# Altium PCB OECU_BASE.PcbDoc (part 1 of 6) (continued)
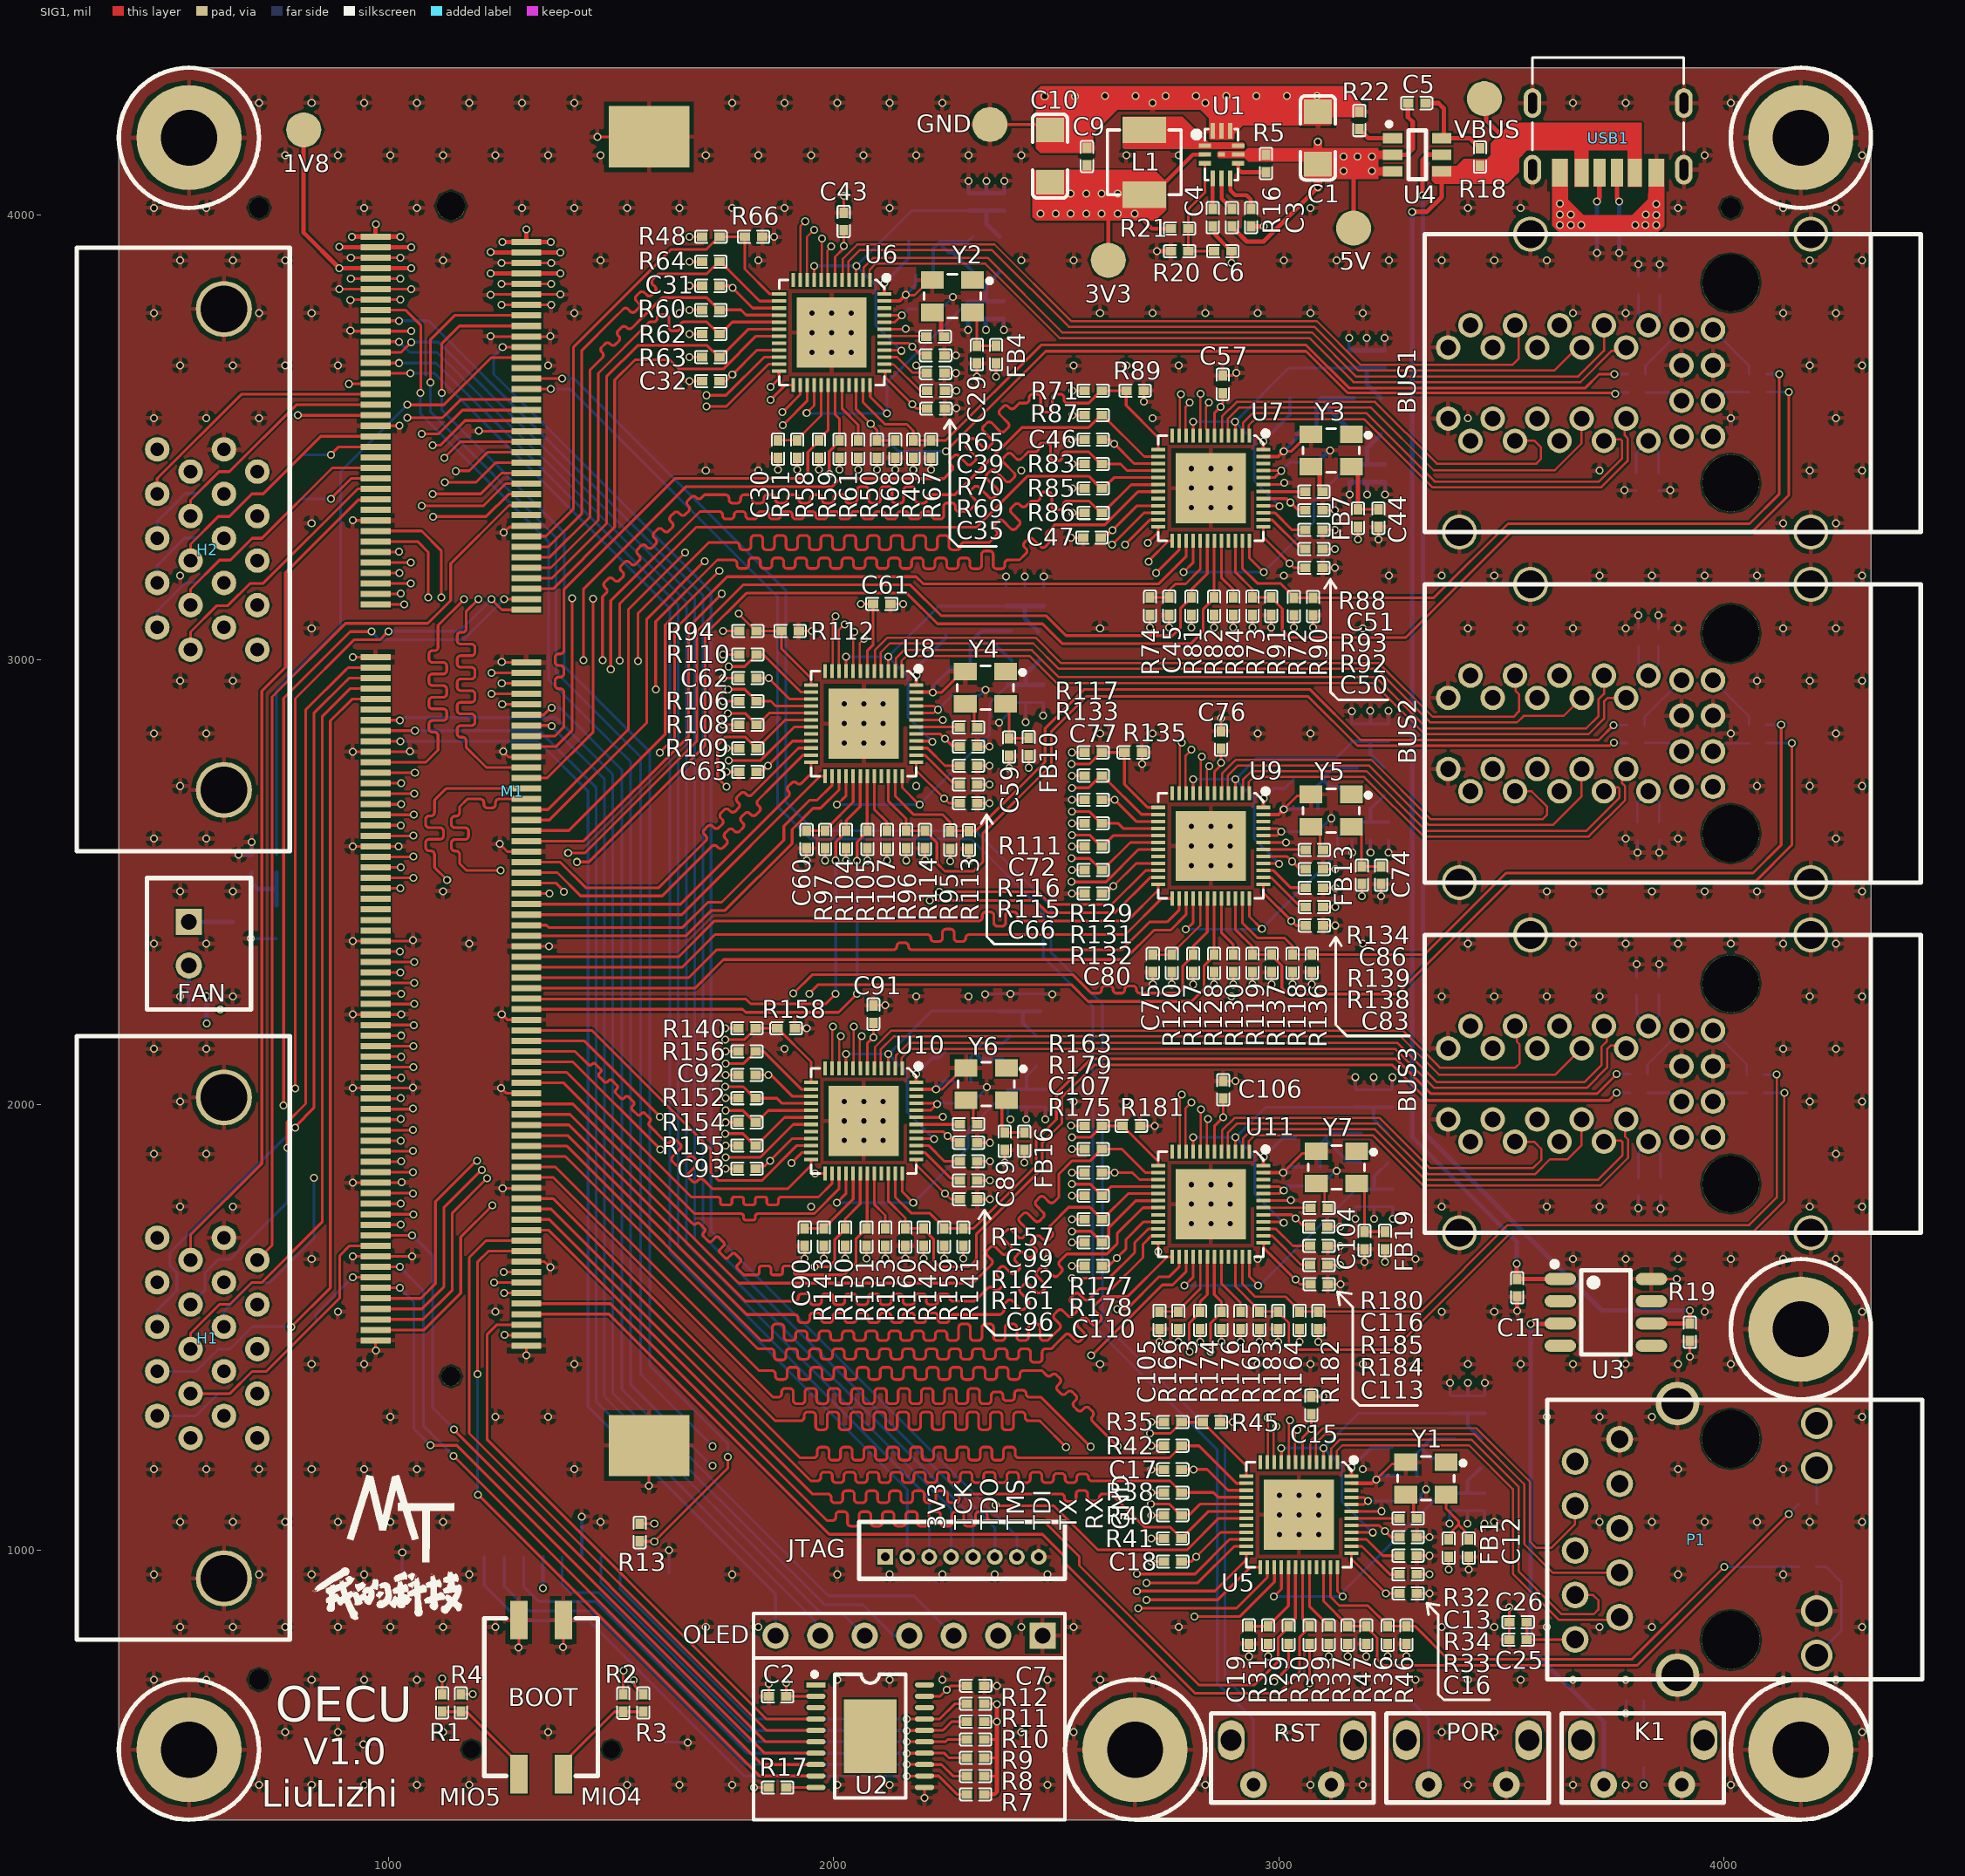
[diagram p0: SIG1 view]
## Classes and differential pairs (continued)
component class OECU_BASE2: C12 C13 C14 C15 C16 C17 C18 C19 C20 C21 C22 C23 C24 C25 C26 C27 C28 FB1 FB2 FB3 H1 H2 JTAG L2 P1 R29 R30 R31 R32 R33 R34 R35 R36 R37 R38 R39 R40 R41 R42 R43 R44 R45 R46 R47 U5 Y1
component class OECU_BASE1: 1V8 3V3 5V BOOT C1 C2 C3 C4 C5 C6 C7 C9 C10 C11 D1 GND J1 K1 L1 M1 POR R1 R2 R3 R4 R5 R6 R7 R8 R9 R10 R11 R12 R13 R14 R15 R16 R17 R18 R19 R20 R21 R22 RST U1 U2 U3 U4 USB1 VBUS
differential pair MDI6_3: +MDI6_3_P -MDI6_3_N
differential pair MDI6_2: +MDI6_2_P -MDI6_2_N
differential pair MDI6_1: +MDI6_1_P -MDI6_1_N
differential pair MDI6_0: +MDI6_0_P -MDI6_0_N
differential pair MDI5_3: +MDI5_3_P -MDI5_3_N
differential pair MDI5_2: +MDI5_2_P -MDI5_2_N
differential pair MDI5_1: +MDI5_1_P -MDI5_1_N
differential pair MDI5_0: +MDI5_0_P -MDI5_0_N
differential pair MDI4_3: +MDI4_3_P -MDI4_3_N
differential pair MDI4_2: +MDI4_2_P -MDI4_2_N
differential pair MDI4_1: +MDI4_1_P -MDI4_1_N
differential pair MDI4_0: +MDI4_0_P -MDI4_0_N
differential pair MDI3_3: +MDI3_3_P -MDI3_3_N
differential pair MDI3_2: +MDI3_2_P -MDI3_2_N
differential pair MDI3_1: +MDI3_1_P -MDI3_1_N
differential pair MDI3_0: +MDI3_0_P -MDI3_0_N
differential pair MDI2_3: +MDI2_3_P -MDI2_3_N
differential pair MDI2_2: +MDI2_2_P -MDI2_2_N
differential pair MDI2_1: +MDI2_1_P -MDI2_1_N
differential pair MDI2_0: +MDI2_0_P -MDI2_0_N
differential pair MDI1_3: +MDI1_3_P -MDI1_3_N
differential pair MDI1_2: +MDI1_2_P -MDI1_2_N
differential pair MDI1_1: +MDI1_1_P -MDI1_1_N
differential pair MDI1_0: +MDI1_0_P -MDI1_0_N
differential pair MDI0_3: +MDI0_3_P -MDI0_3_N
differential pair MDI0_2: +MDI0_2_P -MDI0_2_N
differential pair MDI0_1: +MDI0_1_P -MDI0_1_N
differential pair MDI0_0: +MDI0_0_P -MDI0_0_N

## Components (designator, comment, footprint, x,y, rotation, side; value= is the part's Value field where it differs from the comment)
1V8 "TEST_POINT_2mm" TEST_POINT_2mm 809,4191 r0 top
3V3 "TEST_POINT_2mm" TEST_POINT_2mm 2617,3898 r0 top
5V "TEST_POINT_2mm" TEST_POINT_2mm 3168,3970 r0 top
BOOT "DIP_SWITCH_2.54_2_SMD_S" DIP_SWITCH_2.54_2_SMD_S 1342.35,669.29 r0 top locked
BUS1 "RJ45_HR916130H" HR916130H 4015.75,3622.05 r90 top locked
BUS2 "RJ45_HR916130H" HR916130H 4015.75,2834.65 r90 top locked
BUS3 "RJ45_HR916130H" HR916130H 4015.75,2047.24 r90 top locked
C1 "22uF" 1206 3088,4173 r270 top
C2 "104" 0402 1874,670.85 r0 top
C3 "104" 0402 2937.6,3993.5 r270 top
C4 "104" 0402 2851.6,3993.5 r270 top
C5 "104" 0402 3310,4251 r0 top
C6 "104" 0402 2874.32,3918 r0 top
C7 "104" 0402 2319,694.95 r180 top
C9 "104" 0402 2569,4131 r270 top
C10 "22uF" 1206 2486,4132 r270 top
C11 "104" 0402 3536,1589 r270 top
C12 "104" 0402 3427,1004 r90 top
C13 "104" 0402 3291,1029 r0 top
C14 "104" 0402 3291,1110 r0 bottom
C15 "104" 0402 3073,1325 r90 top
C16 "104" 0402 3291,902 r0 top
C17 "104" 0402 2762,1181 r180 top
C18 "104" 0402 2762,974 r180 top
C19 "10uF" 0402 2933,808.69 r270 top
C20 "10uF" 0402 3291,1167 r0 bottom
C21 "104" 0402 3461.87,1108.19 r90 bottom
C22 "104" 0402 3385,1326.69 r270 bottom
C23 "104" 0402 3424,1108.31 r90 bottom
C24 "104" 0402 3425,1326.69 r270 bottom
C25 "104" 0402 3538,798 r0 top
C26 "10uF" 0402 3538,838 r0 top
C27 "10uF" 0402 3384,1108.31 r90 bottom
C28 "10uF" 0402 3462.87,1326.56 r270 bottom
C29 "104" 0402 2322,3685.82 r90 top
C30 "10uF" 0402 1875,3473.5 r270 top
C31 "104" 0402 1724,3840.5 r180 top
C32 "104" 0402 1724,3626.5 r180 top
C33 "104" 0402 2301.28,3786.32 r90 bottom
C34 "104" 0402 2303.28,4028.92 r270 bottom
C35 "104" 0402 2230,3564.5 r0 top
C36 "104" 0402 2205,3788.5 r0 bottom
C37 "104" 0402 2341.28,3786.32 r90 bottom
C38 "104" 0402 2343.28,4028.92 r270 bottom
C39 "10uF" 0402 2229,3684.5 r0 top
C40 "10uF" 0402 2381.28,3786.32 r90 bottom
C41 "10uF" 0402 2383.28,4028.92 r270 bottom
C42 "10uF" 0402 2204.04,3864.5 r0 bottom
C43 "10uF" 0402 2022.32,3984.94 r90 top
C44 "104" 0402 3224,3318.32 r90 top
C45 "10uF" 0402 2754,3120.32 r270 top
C46 "104" 0402 2583,3495 r180 top
C47 "104" 0402 2580,3275 r180 top
C48 "104" 0402 3239,3419.31 r90 bottom
C49 "104" 0402 3158,3675.69 r270 bottom
C50 "104" 0402 3079,3207 r0 top
C51 "104" 0402 3079,3336 r0 top
C52 "104" 0402 3199,3419.31 r90 bottom
C53 "104" 0402 3198,3675.69 r270 bottom
C54 "10uF" 0402 3065,3444 r0 bottom
C55 "10uF" 0402 3159.29,3419.14 r90 bottom
C56 "10uF" 0402 3238,3675.69 r270 bottom
C57 "10uF" 0402 2874,3619 r90 top
C58 "10uF" 0402 3065,3514 r0 bottom
C59 "104" 0402 2394,2804 r90 top
C60 "10uF" 0402 1939,2596.32 r270 top
C61 "104" 0402 2108,3126 r0 top
C62 "104" 0402 1807,2959 r180 top
C63 "104" 0402 1807,2748 r180 top
C64 "104" 0402 2471,2924.13 r90 bottom
C65 "104" 0402 2387.16,3140.87 r270 bottom
C66 "104" 0402 2303,2678 r0 top
C67 "104" 0402 2431,2924.13 r90 bottom
C68 "104" 0402 2429.16,3140.87 r270 bottom
C69 "10uF" 0402 2287,2920 r0 bottom
C70 "10uF" 0402 2391,2924.13 r90 bottom
C71 "10uF" 0402 2472.16,3140.87 r270 bottom
C72 "10uF" 0402 2303,2805 r0 top
C73 "10uF" 0402 2287,2983 r0 bottom
C74 "104" 0402 3230,2516 r90 top
C75 "10uF" 0402 2717,2318 r270 top
C76 "104" 0402 2870,2820 r90 top
C77 "104" 0402 2583,2686 r180 top
C78 "104" 0402 3247,2616.31 r90 bottom
C79 "104" 0402 3164.35,2836.35 r270 bottom
C80 "104" 0402 2583,2475 r180 top
C81 "104" 0402 3206,2615.31 r90 bottom
C82 "104" 0402 3206,2836.69 r270 bottom
C83 "104" 0402 3080,2403 r0 top
C84 "10uF" 0402 3164.78,2615.63 r90 bottom
C85 "10uF" 0402 3247,2836.69 r270 bottom
C86 "10uF" 0402 3080,2530 r0 top
C87 "10uF" 0402 3068,2666 r0 bottom
C88 "10uF" 0402 3068,2615 r0 bottom
C89 "104" 0402 2384,1918.31 r90 top
C90 "10uF" 0402 1935,1703 r270 top
C91 "104" 0402 2089,2204 r90 top
C92 "104" 0402 1805,2067 r180 top
C93 "104" 0402 1805,1857 r180 top
C94 "104" 0402 2476,2015 r90 bottom
C95 "104" 0402 2465,2229.69 r270 bottom
C96 "104" 0402 2303,1788 r0 top
C97 "104" 0402 2433,2015 r90 bottom
C98 "104" 0402 2425,2229.69 r270 bottom
C99 "10uF" 0402 2303,1915 r0 top
C100 "10uF" 0402 2391,2015 r90 bottom
C101 "10uF" 0402 2370,2230.69 r270 bottom
C102 "10uF" 0402 2288,2004 r0 bottom
C103 "10uF" 0402 2288,2054 r0 bottom
C104 "104" 0402 3192.61,1695.43 r90 top
C105 "10uF" 0402 2732,1516 r270 top
C106 "104" 0402 2875,2034 r90 top
C107 "104" 0402 2583,1848 r180 top
C108 "104" 0402 3256,1791 r90 bottom
C109 "104" 0402 3172,2014.69 r270 bottom
C110 "104" 0402 2583,1638 r180 top
C111 "104" 0402 3214,1791 r90 bottom
C112 "104" 0402 3213,2014.69 r270 bottom
C113 "104" 0402 3090.61,1597.11 r0 top
C114 "10uF" 0402 3172,1791 r90 bottom
C115 "10uF" 0402 3255,2014.69 r270 bottom
C116 "10uF" 0402 3089.61,1726.11 r0 top
C117 "10uF" 0402 3073,1861 r0 bottom
C118 "10uF" 0402 3073,1818 r0 bottom
C119 "104" 0402 3856.31,3840.7 r270 bottom
C120 "10uF" 0402 3808.31,3841.7 r270 bottom
C121 "104" 0402 3853.31,3400.22 r90 bottom
C122 "10uF" 0402 3803.31,3400.22 r90 bottom
C123 "104" 0402 3808,3051 r270 bottom
C124 "10uF" 0402 3853,3051 r270 bottom
C125 "104" 0402 3806,2615.31 r90 bottom
C126 "10uF" 0402 3855,2615.31 r90 bottom
C127 "104" 0402 3804.31,2267.22 r270 bottom
C128 "10uF" 0402 3854.31,2267.22 r270 bottom
C129 "104" 0402 3808,1815.31 r90 bottom
C130 "10uF" 0402 3858,1816.31 r90 bottom
D1 "LED" LED_0603 3820,542 r270 bottom locked
D2 "SI2302" SOT23 699,2411 r180 bottom
FAN "XH2.54_2P" XH2.5_2P 551.18,2362.2 r270 top locked
FB1 "102" 0402 3382,1004 r270 top
FB2 "102" 0603 3423,1184 r0 bottom
FB3 "102" 0603 3425,1249 r0 bottom
FB4 "102" 0402 2365,3685.82 r270 top
FB5 "102" 0603 2342,3872.46 r0 bottom
FB6 "102" 0603 2342,3950.46 r0 bottom
FB7 "102" 0402 3178,3318.32 r270 top
FB8 "102" 0603 3199,3507 r0 bottom
FB9 "102" 0603 3199,3588 r0 bottom
FB10 "102" 0402 2438,2805 r270 top
FB11 "102" 0603 2430,2998 r0 bottom
FB12 "102" 0603 2429,3064 r0 bottom
FB13 "102" 0402 3187,2516 r270 top
FB14 "102" 0603 3206,2696 r0 bottom
FB15 "102" 0603 3206,2757 r0 bottom
FB16 "102" 0402 2428,1918.31 r270 top
FB17 "102" 0603 2425,2088 r0 bottom
FB18 "102" 0603 2425,2154 r0 bottom
FB19 "102" 0402 3238.61,1695.43 r270 top
FB20 "102" 0603 3215,1870 r0 bottom
FB21 "102" 0603 3215,1936 r0 bottom
GND "TEST_POINT_2mm" TEST_POINT_2mm 2351,4203 r0 top
H1 "SCSI20_1" SCSI20_1 629.92,1476.38 r270 top locked
H2 "SCSI20_1" SCSI20_1 629.92,3248.03 r270 top locked
J1 "TF_Card" TF_CARD 1259.84,984.25 r270 bottom locked
JTAG "SH1.25mm_8P" SH1.25MM_8P 2460.63,984.25 r180 top locked
K1 "KEY" KEY_DIP_6_L 3905.51,472.44 r180 top locked
L1 "3.3uH" L_0420 2698,4118 r90 top
L2 "2.2uH" 0805 3289,1231 r180 bottom
L3 "2.2uH" 0805 2204.04,3939.5 r180 bottom
L4 "2.2uH" 0805 3060,3588 r180 bottom
L5 "2.2uH" 0805 2287,3055 r180 bottom
L6 "2.2uH" 0805 3068,2733 r180 bottom
L7 "2.2uH" 0805 2286,2120 r180 bottom
L8 "2.2uH" 0805 3072,1927 r180 bottom
M1 "DDR3_204P_H8" DDR3_204P_H8 1140,4020 r270 top locked
OLED "Header_2.54_7P" HDR1_7P 2469.47,807.39 r180 top locked
P1 "RJ45" HR911130A 4016,1023.62 r270 top locked
POR "KEY" KEY_DIP_6_L 3511.81,472.44 r180 top locked
R1 "20K" R_0402 1120,656 r90 top locked
R2 "20K" R_0402 1527.22,655.87 r90 top locked
R3 "10K" R_0402 1572,656 r90 top locked
R4 "10K" R_0402 1162,656 r90 top locked
R5 "4K7" R_0402 2971.6,4115.5 r90 top
R6 "1K" R_0402 3800,662 r180 bottom
R7 "10K" R_0402 2318.89,450.95 r180 top
R8 "10K" R_0402 2318.89,491.95 r180 top
R9 "10K" R_0402 2318.89,532.95 r180 top
R10 "10K" R_0402 2318.89,573.95 r180 top
R11 "10K" R_0402 2318.89,613.95 r180 top
R12 "10K" R_0402 2318.89,653.95 r180 top
R13 "10K" R_0402 1564,1039 r270 top
R14 "5K1" R_0402 3765,3972 r90 bottom
R15 "5K1" R_0402 3715,3972 r90 bottom
R16 "4K7" R_0402 2894.6,3993.5 r270 top
R17 "4K7" R_0402 1874,465.85 r0 top
R18 "10K" R_0402 3452,4130 r270 top
R19 "10K" R_0402 3924,1489 r270 top
R20 "44K2" R_0402 2777.32,3918 r180 top
R21 "200K" R_0402 2777,3969 r180 top
R22 "1K" R_0402 3181,4212 r90 top
R29 "1K5" R_0402 3022,808.69 r270 top
R30 "1K5" R_0402 3069,808.69 r270 top
R31 "10K" R_0402 2976,808.69 r90 top
R32 "22R" R_0402 3291,1071 r0 top
R33 "0R" R_0402 3290.68,945 r0 top
R34 "2.49K" R_0402 3290.68,987 r0 top
R35 "NC" R_0402 2762,1287 r0 top
R36 "NC" R_0402 3245,808.69 r90 top
R37 "4K7" R_0402 3155,808.69 r90 top
R38 "4K7" R_0402 2762,1129 r180 top
R39 "4K7" R_0402 3112,808.69 r270 top
R40 "4K7" R_0402 2762,1078 r180 top
R41 "4K7" R_0402 2762,1026 r180 top
R42 "4K7" R_0402 2762,1234 r180 top
R43 "510R" R_0402 4188,962 r0 bottom
R44 "510R" R_0402 4189,1102 r0 bottom
R45 "4K7" R_0402 2849,1287 r0 top
R46 "4K7" R_0402 3287,808.69 r270 top
R47 "NC" R_0402 3197,808.69 r270 top
R48 "NC" R_0402 1724.31,3950.5 r0 top
R49 "NC" R_0402 2179,3473.5 r90 top
R50 "4K7" R_0402 2097,3473.5 r90 top
R51 "10K" R_0402 1918,3473.5 r90 top
R58 "1K5" R_0402 1966.5,3473.5 r270 top
R59 "1K5" R_0402 2013,3473.5 r270 top
R60 "4K7" R_0402 1724,3786.5 r180 top
R61 "4K7" R_0402 2055,3473.5 r270 top
R62 "4K7" R_0402 1724,3732.5 r180 top
R63 "4K7" R_0402 1724,3680.5 r180 top
R64 "4K7" R_0402 1724,3894.5 r180 top
R65 "22R" R_0402 2228,3726.5 r0 top
R66 "4K7" R_0402 1820,3950.5 r0 top
R67 "4K7" R_0402 2219,3473.5 r270 top
R68 "NC" R_0402 2138,3473.5 r270 top
R69 "0R" R_0402 2230,3604.5 r0 top
R70 "2.49K" R_0402 2229,3644.5 r0 top
R71 "NC" R_0402 2583,3605 r0 top
R72 "NC" R_0402 3034,3120 r90 top
R73 "4K7" R_0402 2941,3120.32 r90 top
R74 "10K" R_0402 2711,3120.32 r90 top
R81 "1K5" R_0402 2804,3120.32 r270 top
R82 "1K5" R_0402 2855,3120.32 r270 top
R83 "4K7" R_0402 2583,3440 r180 top
R84 "4K7" R_0402 2898,3120.32 r270 top
R85 "4K7" R_0402 2583,3385 r180 top
R86 "4K7" R_0402 2583,3330 r180 top
R87 "4K7" R_0402 2583,3550 r180 top
R88 "22R" R_0402 3079,3378 r0 top
R89 "4K7" R_0402 2677,3605 r0 top
R90 "4K7" R_0402 3077,3120 r270 top
R91 "NC" R_0402 2983,3120.32 r270 top
R92 "0R" R_0402 3079,3249 r0 top
R93 "2.49K" R_0402 3079,3292 r0 top
R94 "NC" R_0402 1807,3065 r0 top
R95 "NC" R_0402 2261.5,2594.98 r90 top
R96 "4K7" R_0402 2163,2596.32 r90 top
R97 "10K" R_0402 1981,2596.32 r90 top
R104 "1K5" R_0402 2028,2596.32 r270 top
R105 "1K5" R_0402 2076,2596.32 r270 top
R106 "4K7" R_0402 1807,2907 r180 top
R107 "4K7" R_0402 2120,2596.32 r270 top
R108 "4K7" R_0402 1807,2854 r180 top
R109 "4K7" R_0402 1807,2801 r180 top
R110 "4K7" R_0402 1807,3012 r180 top
R111 "22R" R_0402 2303,2848 r0 top
R112 "4K7" R_0402 1902,3065 r0 top
R113 "4K7" R_0402 2304,2595 r270 top
R114 "NC" R_0402 2205,2596.32 r270 top
R115 "0R" R_0402 2303,2720 r0 top
R116 "2.49K" R_0402 2303,2762 r0 top
R117 "NC" R_0402 2583,2792 r0 top
R118 "NC" R_0402 3031,2318.31 r90 top
R119 "4K7" R_0402 2941,2318 r90 top
R120 "10K" R_0402 2760,2318 r90 top
R127 "1K5" R_0402 2808,2318 r270 top
R128 "1K5" R_0402 2855,2318 r270 top
R129 "4K7" R_0402 2583,2633 r180 top
R130 "4K7" R_0402 2898,2318 r270 top
R131 "4K7" R_0402 2583,2581 r180 top
R132 "4K7" R_0402 2583,2528 r180 top
R133 "4K7" R_0402 2583,2740 r180 top
R134 "22R" R_0402 3080,2573 r0 top
R135 "4K7" R_0402 2673,2792 r0 top
R136 "4K7" R_0402 3074,2318 r270 top
R137 "NC" R_0402 2984,2318 r270 top
R138 "0R" R_0402 3080,2445 r0 top
R139 "2.49K" R_0402 3080,2488 r0 top
R140 "NC" R_0402 1805,2172 r0 top
R141 "NC" R_0402 2291,1703 r90 top
R142 "4K7" R_0402 2202,1703 r90 top
R143 "10K" R_0402 1978,1703 r90 top
R150 "1K5" R_0402 2026,1703 r270 top
R151 "1K5" R_0402 2074,1703 r270 top
R152 "4K7" R_0402 1805,2015 r180 top
R153 "4K7" R_0402 2116,1703 r270 top
R154 "4K7" R_0402 1805,1961 r180 top
R155 "4K7" R_0402 1805,1909 r180 top
R156 "4K7" R_0402 1805,2120 r180 top
R157 "22R" R_0402 2303,1957 r0 top
R158 "4K7" R_0402 1893,2172 r0 top
R159 "4K7" R_0402 2248,1703 r270 top
R160 "NC" R_0402 2161,1703 r270 top
R161 "0R" R_0402 2303,1830 r0 top
R162 "2.49K" R_0402 2303,1873 r0 top
R163 "NC" R_0402 2583,1953 r0 top
R164 "NC" R_0402 3047,1516 r90 top
R165 "4K7" R_0402 2957,1516 r90 top
R166 "10K" R_0402 2774,1516 r90 top
R173 "1K5" R_0402 2823,1516 r270 top
R174 "1K5" R_0402 2871,1516 r270 top
R175 "4K7" R_0402 2583,1796 r180 top
R176 "4K7" R_0402 2914,1516 r270 top
R177 "4K7" R_0402 2583,1743 r180 top
R178 "4K7" R_0402 2583,1691 r180 top
R179 "4K7" R_0402 2583,1901 r180 top
R180 "22R" R_0402 3090.61,1768.11 r0 top
R181 "4K7" R_0402 2669,1953 r0 top
R182 "4K7" R_0402 3089,1516 r270 top
R183 "NC" R_0402 2999,1516 r270 top
R184 "0R" R_0402 3090.3,1640.11 r0 top
R185 "2.49K" R_0402 3090.3,1683.11 r0 top
R186 "510R" R_0402 3804.31,3642.22 r0 bottom
R187 "510R" R_0402 3805.31,3601.22 r0 bottom
R188 "510R" R_0402 4076.31,3642.22 r0 bottom
R189 "510R" R_0402 4075.31,3602.22 r180 bottom
R190 "100R" R_0402 748,2542 r270 bottom
R191 "10R" R_0402 571,2214 r180 bottom
R192 "10K" R_0402 692,2542 r90 bottom
R193 "510R" R_0402 3802.31,2853.22 r0 bottom
R194 "510R" R_0402 3802.31,2813.22 r0 bottom
R195 "510R" R_0402 4076,2854 r0 bottom
R196 "510R" R_0402 4076,2813 r180 bottom
R197 "510R" R_0402 3809,2069 r0 bottom
R198 "510R" R_0402 3809,2027 r0 bottom
R199 "510R" R_0402 4071.31,2068.22 r0 bottom
R200 "510R" R_0402 4071.31,2027.22 r180 bottom
RST "KEY" KEY_DIP_6_L 3118.11,472.44 r180 top locked
U1 "MP2145" QFN12 2871.6,4135.5 r0 top
U2 "TXS0108E" TSSOP20 1960,696.85 r0 top
U3 "EC191120" SOP8-150MIL 3735,1534 r0 top
U4 "TPS27081A" SOT_23_6 3311,4135 r0 top
U5 "RTL8211E-VL" QFN48 3132,1197 r270 top
U6 "RTL8211E-VB" QFN48 2082,3853.5 r270 top
U7 "RTL8211E-VB" QFN48 2934,3504 r270 top locked
U8 "RTL8211E-VB" QFN48 2154,2975 r270 top locked
U9 "RTL8211E-VB" QFN48 2934,2700 r270 top locked
U10 "RTL8211E-VB" QFN48 2154,2082.11 r270 top locked
U11 "RTL8211E-VB" QFN48 2934,1895 r270 top locked
USB1 "USB_C_6P" USB_C_6PIN 3740.16,4062.99 r180 top locked
VBUS "TEST_POINT_2mm" TEST_POINT_2mm 3462,4261 r90 top
Y1 "25Mhz" XTAL_3225 3374,1195 r180 top
Y2 "25Mhz" XTAL_3225 2310,3851.5 r180 top
Y3 "25Mhz" XTAL_3225 3161,3505 r180 top
Y4 "25Mhz" XTAL_3225 2384.18,2972.02 r180 top
Y5 "25Mhz" XTAL_3225 3161,2696 r180 top
Y6 "25Mhz" XTAL_3225 2386,2081 r180 top
Y7 "25Mhz" XTAL_3225 3173,1894 r180 top

## Footprints (in the part's own frame and the unit in brackets; to place one, negate y for a bottom-side part, rotate by r counter-clockwise, add the part's x,y. Pads: shape width x height; smd on the part's side, far side on the other; paste and mask are expansions set on the pad)
0402 [mm]
  rect 0.6x0.5 smd: 1(-0.5,0) 2(0.5,0)
  silkscreen extent -0.9,-0.35 0.9,0.35, body extent -0.51,-0.25 0.51,0.25, height 0.52
0603 [mm]
  rect 0.93x0.98 smd: 1(-0.77,0) 2(0.77,0)
  silkscreen extent -1.53,-0.79 1.54,0.79, body extent -0.8,-0.4 0.8,0.4, height 0.3
0805 [mm]
  rect 1.16x1.47 smd: 1(-0.89,0) 2(0.89,0)
  silkscreen extent -1.77,-1.04 1.77,1.04, body extent -1,-0.63 1,0.63, height 0.77
1206 [mm]
  rect 1.4x1.6 smd: 1(-1.5,0) 2(1.5,0)
  silkscreen extent -2.4,-1 2.4,1, body extent -1.97,-0.98 1.97,0.98, height 1.3
DDR3_204P_H8 [mm]
  rect 3.5x4.6 smd: 0(-3.95,11.3) 0(70.75,11.3)
  rect 0.35x1.7 smd: 1(1.75,-4.3) 2(2.05,4.3) 3(2.35,-4.3) 4(2.65,4.3) 5(2.95,-4.3) 6(3.25,4.3) 7(3.55,-4.3) 8(3.85,4.3) 9(4.15,-4.3) 10(4.45,4.3) 11(4.75,-4.3) 12(5.05,4.3) 13(5.35,-4.3) 14(5.65,4.3) 15(5.95,-4.3) 16(6.25,4.3) 17(6.55,-4.3) 18(6.85,4.3) 19(7.15,-4.3) 20(7.45,4.3) 21(7.75,-4.3) 22(8.05,4.3) 23(8.35,-4.3) 24(8.65,4.3) 25(8.95,-4.3) 26(9.25,4.3) 27(9.55,-4.3) 28(9.85,4.3) 29(10.15,-4.3) 30(10.45,4.3) 31(10.75,-4.3) 32(11.05,4.3) 33(11.35,-4.3) 34(11.65,4.3) 35(11.95,-4.3) 36(12.25,4.3) 37(12.55,-4.3) 38(12.85,4.3) 39(13.15,-4.3) 40(13.45,4.3) 41(13.75,-4.3) 42(14.05,4.3) 43(14.35,-4.3) 44(14.65,4.3) 45(14.95,-4.3) 46(15.25,4.3) 47(15.55,-4.3) 48(15.85,4.3) 49(16.15,-4.3) 50(16.45,4.3) 51(16.75,-4.3) 52(17.05,4.3) 53(17.35,-4.3) 54(17.65,4.3) 55(17.95,-4.3) 56(18.25,4.3) 57(18.55,-4.3) 58(18.85,4.3) 59(19.15,-4.3) 60(19.45,4.3) 61(19.75,-4.3) 62(20.05,4.3) 63(20.35,-4.3) 64(20.65,4.3) 65(20.95,-4.3) 66(21.25,4.3) 67(21.55,-4.3) 68(21.85,4.3) 69(22.15,-4.3) 70(22.45,4.3) 71(22.75,-4.3) 72(23.05,4.3) 73(25.75,-4.3) 74(26.05,4.3) 75(26.35,-4.3) 76(26.65,4.3) 77(26.95,-4.3) 78(27.25,4.3) 79(27.55,-4.3) 80(27.85,4.3) 81(28.15,-4.3) 82(28.45,4.3) 83(28.75,-4.3) 84(29.05,4.3) 85(29.35,-4.3) 86(29.65,4.3) 87(29.95,-4.3) 88(30.25,4.3) 89(30.55,-4.3) 90(30.85,4.3) 91(31.15,-4.3) 92(31.45,4.3) 93(31.75,-4.3) 94(32.05,4.3) 95(32.35,-4.3) 96(32.65,4.3) 97(32.95,-4.3) 98(33.25,4.3) 99(33.55,-4.3) 100(33.85,4.3) 101(34.15,-4.3) 102(34.45,4.3) 103(34.75,-4.3) 104(35.05,4.3) 105(35.35,-4.3) 106(35.65,4.3) 107(35.95,-4.3) 108(36.25,4.3) 109(36.55,-4.3) 110(36.85,4.3) 111(37.15,-4.3) 112(37.45,4.3) 113(37.75,-4.3) 114(38.05,4.3) 115(38.35,-4.3) 116(38.65,4.3) 117(38.95,-4.3) 118(39.25,4.3) 119(39.55,-4.3) 120(39.85,4.3) 121(40.15,-4.3) 122(40.45,4.3) 123(40.75,-4.3) 124(41.05,4.3) 125(41.35,-4.3) 126(41.65,4.3) 127(41.95,-4.3) 128(42.25,4.3) 129(42.55,-4.3) 130(42.85,4.3) 131(43.15,-4.3) 132(43.45,4.3) 133(43.75,-4.3) 134(44.05,4.3) 135(44.35,-4.3) 136(44.65,4.3) 137(44.95,-4.3) 138(45.25,4.3) 139(45.55,-4.3) 140(45.85,4.3) 141(46.15,-4.3) 142(46.45,4.3) 143(46.75,-4.3) 144(47.05,4.3) 145(47.35,-4.3) 146(47.65,4.3) 147(47.95,-4.3) 148(48.25,4.3) 149(48.55,-4.3) 150(48.85,4.3) 151(49.15,-4.3) 152(49.45,4.3) 153(49.75,-4.3) 154(50.05,4.3) 155(50.35,-4.3) 156(50.65,4.3) 157(50.95,-4.3) 158(51.25,4.3) 159(51.55,-4.3) 160(51.85,4.3) 161(52.15,-4.3) 162(52.45,4.3) 163(52.75,-4.3) 164(53.05,4.3) 165(53.35,-4.3) 166(53.65,4.3) 167(53.95,-4.3) 168(54.25,4.3) 169(54.55,-4.3) 170(54.85,4.3) 171(55.15,-4.3) 172(55.45,4.3) 173(55.75,-4.3) 174(56.05,4.3) 175(56.35,-4.3) 176(56.65,4.3) 177(56.95,-4.3) 178(57.25,4.3) 179(57.55,-4.3) 180(57.85,4.3) 181(58.15,-4.3) 182(58.45,4.3) 183(58.75,-4.3) 184(59.05,4.3) 185(59.35,-4.3) 186(59.65,4.3) 187(59.95,-4.3) 188(60.25,4.3) 189(60.55,-4.3) 190(60.85,4.3) 191(61.15,-4.3) 192(61.45,4.3) 193(61.75,-4.3) 194(62.05,4.3) 195(62.35,-4.3) 196(62.65,4.3) 197(62.95,-4.3) 198(63.25,4.3) 199(63.55,-4.3) 200(63.85,4.3) 201(64.15,-4.3) 202(64.45,4.3) 203(64.75,-4.3) 204(65.05,4.3)
  round 1.6 hole 1.6 unplated: A(0,0)
  round 1.1 hole 1.1 unplated: A(66.8,0)
  body extent -4.55,-5 71.35,21.56, height 8.3
DIP_SWITCH_2.54_2_SMD_S [mm]
  rect 1x2.2 smd: 1(-1.27,-4.4) 2(1.27,-4.4) 3(1.27,4.4) 4(-1.27,4.4)
  silkscreen extent -3.24,-4.5 3.24,4.5, body extent -3.24,-5.61 3.24,4.49, height 6.6
HDR1_7P [mm]
  rect 1.5x1.5 hole 0.9: 1(0,0)
  round 1.5 hole 0.9: 2(2.54,0) 3(5.08,0) 4(7.62,0) 5(10.16,0) 6(12.7,0) 7(15.24,0)
  silkscreen extent -1.27,-1.27 16.51,1.27
HR911130A [mil]
  round 60 hole 40: 1(225.01,-350) 2(175.01,-250) 3(125.01,-350) 4(75.01,-250) 5(25.01,-350) 6(-24.99,-250) 7(-74.99,-350) 8(-124.99,-250) 9(-174.99,-350) 10(-224.99,-250)
  round 70.87 hole 51.18: 11(260.82,192.91) 12(160.82,192.91) 13(-160.82,192.91) 14(-260.82,192.91)
  round 98 hole 70.87: 15(305.12,-120.08) 16(-305.12,-120.08)
  round 129.92 hole 129.92: ""(-225.99,0) ""(225.99,0)
  silkscreen extent -314,-412 314,430, body extent -313,-412 313,430, height 531
HR916130H [mm]
  round 2 hole 1.6: 1(8.505,-4.57) 2(8.505,11.43) 3(-8.505,-4.57) 4(-8.505,15.49)
  round 1.4 hole 0.9: D1(-3.3,4.7) D2(-2.03,5.97) D3(-3.3,7.24) D4(-2.03,8.51) D5(-3.3,9.78) D6(-2.03,11.05) D7(-3.3,12.32) D8(-2.03,13.59) D9(-3.3,14.86) D10(-2.03,16.13) D11(3.045,1.01) D12(1.015,1.01) D13(-1.015,1.01) D14(-3.045,1.01) U1(3.3,4.7) U2(2.03,5.97) U3(3.3,7.24) U4(2.03,8.51) U5(3.3,9.78) U6(2.03,11.05) U7(3.3,12.32) U8(2.03,13.59) U9(3.3,14.86) U10(2.03,16.13) U11(3.045,2.81) U12(1.015,2.81) U13(-1.015,2.81) U14(-3.045,2.81)
  round 3.25 hole 3.25 unplated: ""(-5.715,0) ""(5.715,0)
  silkscreen extent -8.5,-10.84 8.5,17.46, body extent -8.54,-10.84 8.54,17.46, height 25.25
KEY_DIP_6_L [mil]
  oval 60x90 hole 47.24: 0(-50,-100) 0(225,-100)
  round 60 hole 30: 1(0,0) 2(175,0)
  silkscreen extent -95,-160 270,40, body extent -80,-157 255,231, height 283
L_0420 [mm]
  rect 1.5x2.5 smd: 1(-1.85,0) 2(1.85,0)
  silkscreen extent -1.85,-2.1 1.85,2.1, body extent -2.24,-2.06 2.24,2.06, height 2.12
LED_0603 [mm]
  rect 0.93x0.98 smd: A(0.77,0) K(-0.77,0)
  silkscreen extent -1.97,-0.79 1.54,0.79, body extent -0.8,-0.4 0.8,0.4, height 0.6
QFN12 [mm]
  rect 0.7x0.25 smd: 1(-0.95,0.5) 2(-0.95,0) 3(-0.95,-0.5) 7(0.95,-0.5) 8(0.95,0) 9(0.95,0.5)
  rect 0.25x0.9 smd: 4(-0.5,-1.35) 5(0,-1.35) 6(0.5,-1.35) 10(0.5,1.35) 11(0,1.35) 12(-0.5,1.35)
  rect 0.4x0.25 smd: 13(0,0)
  silkscreen extent -1.59,-1.45 0.95,1.45, body extent -0.95,-1.45 0.95,1.45, height 1
QFN48 [mm]
  rect 0.8x0.2 smd: 1(0,0) 2(0,-0.4) 3(0,-0.8) 4(0,-1.2) 5(0,-1.6) 6(0,-2) 7(0,-2.4) 8(0,-2.8) 9(0,-3.2) 10(0,-3.6) 11(0,-4) 12(0,-4.4) 25(6,-4.4) 26(6,-4) 27(6,-3.6) 28(6,-3.2) 29(6,-2.8) 30(6,-2.4) 31(6,-2) 32(6,-1.6) 33(6,-1.2) 34(6,-0.8) 35(6,-0.4) 36(6,0)
  rect 0.2x0.8 smd: 13(0.8,-5.2) 14(1.2,-5.2) 15(1.6,-5.2) 16(2,-5.2) 17(2.4,-5.2) 18(2.8,-5.2) 19(3.2,-5.2) 20(3.6,-5.2) 21(4,-5.2) 22(4.4,-5.2) 23(4.8,-5.2) 24(5.2,-5.2) 37(5.2,0.8) 38(4.8,0.8) 39(4.4,0.8) 40(4,0.8) 41(3.6,0.8) 42(3.2,0.8) 43(2.8,0.8) 44(2.4,0.8) 45(2,0.8) 46(1.6,0.8) 47(1.2,0.8) 48(0.8,0.8)
  rect 4x4 smd: 49(3,-2.2)
  silkscreen extent -0.26,-5.2 6,1.06, body extent 0,-5.2 6,0.8, height 0.85
R_0402 [mm]
  rect 0.6x0.5 smd: 1(-0.5,0) 2(0.5,0)
  silkscreen extent -0.9,-0.35 0.9,0.35, body extent -0.75,-0.25 0.75,0.25, height 0.35
SCSI20_1 [mm]
  round 1.4 hole 0.78: 1(5.715,1.905) 2(4.445,0) 3(3.175,1.905) 4(1.905,0) 5(0.635,1.905) 6(-0.635,0) 7(-1.905,1.905) 8(-3.175,0) 9(-4.445,1.905) 10(-5.715,0) 11(5.715,-1.905) 12(4.445,-3.81) 13(3.175,-1.905) 14(1.905,-3.81) 15(0.635,-1.905) 16(-0.635,-3.81) 17(-1.905,-1.905) 18(-3.175,-3.81) 19(-4.445,-1.905) 20(-5.715,-3.81)
  round 3.2 hole 2.67: 21(13.725,0) 22(-13.725,0)
  silkscreen extent -17.22,-8.41 17.22,3.75, body extent -16.7,-13.83 16.7,2.87, height 9.26
SH1.25MM_8P [mm]
  rect 0.9x0.9 hole 0.5: 1(8.75,0)
  round 0.9 hole 0.5: 2(7.5,0) 3(6.25,0) 4(5,0) 5(3.75,0) 6(2.5,0) 7(1.25,0) 8(0,0)
  silkscreen extent -1.5,-2 10.25,1.25, body extent -1.5,-1.95 10.25,1.25, height 4.7
SOP8-150MIL [mm]
  oval 1.8x0.7 smd: 1(-2.6,1.905) 2(-2.6,0.635) 3(-2.6,-0.635) 4(-2.6,-1.905) 5(2.6,-1.905) 6(2.6,-0.635) 7(2.6,0.635) 8(2.6,1.905)
  silkscreen extent -3.07,-2.4 1.4,2.9, body extent -3.1,-2.5 3.1,2.5, height 1.75
SOT23 [mm]
  rect 1.25x0.7 smd: 1(-1.25,0.95) 2(-1.25,-0.95) 3(1.25,0)
  silkscreen extent -0.9,-1.46 0.65,1.46, body extent -1.5,-1.5 1.5,1.5, height 1.3
SOT_23_6 [mm]
  rect 1.1x0.6 smd: 1(-1.4,0.95) 2(-1.4,0) 3(-1.4,-0.95) 4(1.4,-0.95) 5(1.4,0) 6(1.4,0.95)
  silkscreen extent -1.72,-1.4 0.5,1.87, body extent -0.9,-1.45 0.9,1.45, height 1.1
TEST_POINT_2mm [mm]
  round 2 smd: 1(0,0)
TF_CARD [mm]
  rect 2.6x0.85 smd: 1(0,1.141)
  rect 2.6x0.8 smd: 2(0,0) 3(0,-1.103) 4(0,-2.206) 5(0,-3.309) 6(0,-4.412) 7(0,-5.516) 8(0,-6.619) 9(0,-7.722)
  rect 1.6x1.524 smd: 10(0.928,-9.4) 10(1.055,5.84)
  rect 2.2x1.651 smd: 10(10.58,-9.146) 10(10.707,6.729)
  round 0 hole 1: 11(11,1.878) 12(11,-6.122)
  silkscreen extent 1,-8.52 15,6.18, body extent 0,-9.22 15,6.88, height 1.85
TSSOP20 [mm]
  rect 3x4.2 smd: 0(3.1,-2.925)
  rect 1.1x0.3 smd: 1(0,0)
  oval 1.1x0.3 smd: 2(0,-0.65) 3(0,-1.3) 4(0,-1.95) 5(0,-2.6) 6(0,-3.25) 7(0,-3.9) 8(0,-4.55) 9(0,-5.2) 10(0,-5.85) 11(6.2,-5.85) 12(6.2,-5.2) 13(6.2,-4.55) 14(6.2,-3.9) 15(6.2,-3.25) 16(6.2,-2.6) 17(6.2,-1.95) 18(6.2,-1.3) 19(6.2,-0.65) 20(6.2,0)
  silkscreen extent -0.2,-6.45 5.13,0.73, body extent 1.07,-6.45 5.13,0.6, height 1.2
USB_C_6PIN [mm]
  oval 1x1.7 hole 0.5 slot 1.2 at 90 deg: 0(-4.32,-0.98) 0(-4.32,-4.78) 0(4.32,-0.98) 0(4.32,-4.78)
  rect 0.9x1.6 smd: 1(-2.75,-0.8) 6(2.75,-0.8)
  rect 0.8x1.6 smd: 2(-1.52,-0.8) 5(1.52,-0.8)
  rect 0.7x1.6 smd: 3(-0.5,-0.8) 4(0.5,-0.8)
  silkscreen extent -4.32,-7.38 4.32,-2.09, body extent -4.47,-7.38 4.47,-0.51, height 3.3
XH2.5_2P [mm]
  rect 1.5x1.5 hole 0.9: 1(-1.25,0)
  round 1.5 hole 0.9: 2(1.25,0)
  silkscreen extent -3.75,-2.39 3.75,3.54, body extent -3.61,-2.49 3.61,3.35, height 7.21
XTAL_3225 [mm]
  rect 1.3x1 smd: 1(-0.05,-0.05) 2(2.25,-0.05) 3(2.25,1.8) 4(-0.05,1.8)
  silkscreen extent -1.14,-0.37 2.71,2.12, body extent -0.51,-0.38 2.69,2.14, height 1

## Part data
BOOT: "双路贴片立式拨码开关"
C1 C10: library part CAP_1206, "贴片电容 1206"
C2 C3 C4 C5 C6 C7 C9 C11 C12 C13 C14 C15 C16 C17 C18 C19 C20 C21 C22 C23 C24 C25 C26 C27 C28 C29 C30 C31 C32 C33 C34 C35 C36 C37 C38 C39 C40 C41 C42 C43 C44 C45 C46 C47 C48 C49 C50 C51 C52 C53 C54 C55 C56 C57 C58 C59 C60 C61 C62 C63 C64 C65 C66 C67 C68 C69 C70 C71 C72 C73 C74 C75 C76 C77 C78 C79 C80 C81 C82 C83 C84 C85 C86 C87 C88 C89 C90 C91 C92 C93 C94 C95 C96 C97 C98 C99 C100 C101 C102 C103 C104 C105 C106 C107 C108 C109 C110 C111 C112 C113 C114 C115 C116 C117 C118 C119 C120 C121 C122 C123 C124 C125 C126 C127 C128 C129 C130: library part CAP_0402, "贴片电容 0402"
D1: library part LED_0603, "LED 0603"
D2: library part MOSN_SI2302_SOT23, "NMOS"
FB1 FB4 FB7 FB10 FB13 FB16 FB19: library part FB_0402, "磁珠 0402"
FB2 FB3 FB5 FB6 FB8 FB9 FB11 FB12 FB14 FB15 FB17 FB18 FB20 FB21: library part FB_0603, "磁珠 0603"
J1: "TF卡座"
K1 POR RST: library part KEY_DIP_6_L, "直插卧式按键 6mm"
L1: library part L_0420, "电感 0420"
L2 L3 L4 L5 L6 L7 L8: library part L_0805, "电感 0805"
P1: library part RJ45_HR911130A
R1 R2 R3 R4 R5 R6 R7 R8 R9 R10 R11 R12 R13 R14 R15 R16 R17 R18 R19 R20 R21 R22 R29 R30 R31 R32 R33 R34 R35 R36 R37 R38 R39 R40 R41 R42 R43 R44 R45 R46 R47 R48 R49 R50 R51 R58 R59 R60 R61 R62 R63 R64 R65 R66 R67 R68 R69 R70 R71 R72 R73 R74 R81 R82 R83 R84 R85 R86 R87 R88 R89 R90 R91 R92 R93 R94 R95 R96 R97 R104 R105 R106 R107 R108 R109 R110 R111 R112 R113 R114 R115 R116 R117 R118 R119 R120 R127 R128 R129 R130 R131 R132 R133 R134 R135 R136 R137 R138 R139 R140 R141 R142 R143 R150 R151 R152 R153 R154 R155 R156 R157 R158 R159 R160 R161 R162 R163 R164 R165 R166 R173 R174 R175 R176 R177 R178 R179 R180 R181 R182 R183 R184 R185 R186 R187 R188 R189 R190 R191 R192 R193 R194 R195 R196 R197 R198 R199 R200: library part RES_0402, "电阻 0402"
U1: "5.5V, 6A, 1.2MHz"
U3: "长按2秒开关机"
U4: "高侧负载开关"
U5 U6 U7 U8 U9 U10 U11: library part RTL8211E, "QFN48"
Y1: library part XTAL_3225, "贴片有源晶振"
Y2 Y3 Y4 Y5 Y6 Y7: library part XTAL_3225

## Free pads (board coordinates)
  round 236.22 hole 125.98: 1(551.18,551.18) 1(551.18,4173.23) 1(2677.17,551.18) 1(4173.23,551.18) 1(4173.23,1496.06) 1(4173.23,4173.23)
  round 45.35 hole 45.35 unplated paste+45.35 mask+5.83: 2(708.66,708.66) 2(708.66,4015.75) 2(4015.75,4015.75)

## Via types
v1: diameter 17.72, hole 11.81, SIG1 to SIG3, tented both sides, 1064 vias
v2: diameter 23.62, hole 11.81, SIG1 to SIG3, tented both sides, 63 vias

## Nets (pads, with @x,y where several pads share a name; then routed paths per layer and width w, separated by ;. In a path a pad name is that pad's centre, name@x,y a point inside that pad or via, vN(x,y) a via of type N, cw(c..) or ccw(c..) an arc to the next point about the centre after c; other vN are vias at no path point)
1V8: 1V8.1 C2.2 C17.1 C18.1 M1.7 M1.8 R17.1 R29.2 R30.2 R38.2 R40.2 R41.2 R42.2 U2.2 U5.15 U5.21 | length 1432.3
  SIG1 w6: v1(1821,466) 1821.15,465.85 R17.1@1854.32,465.85 ; v1(1893,701) 1893.69,700.31 C2.2@1893.69,670.85 1959.59,670.85 U2.2@1960,671.26 ; v1(2714,1026) R41.2@2742.31,1026 ; v1(2714.01,1077.99) R40.2@2742.31,1078 ; v1(2714.01,1128.99) R38.2@2742.31,1129 ; v1(2714.01,1233.99) R42.2@2742.31,1234 ; C18.1@2781.68,974 2804,974 v1(2814.5,984.5) 2869.52,1039.52 U5.21@2927.28,1039.52 ; C17.1@2781.68,1181 v1(2809,1181) 2839,1181 2885.99,1134.01 U5.15@2927.28,1134.01 ; v1(2990,704) 3022,736 R29.2@3022,789 ; v1(3069,700) R30.2@3069,789
  SIG1 w10: 1V8.1@809,4191 809,3960 v1(889,3880) 889.24,3880.24 M1.7@970.71,3880.24 1050.76,3880.24 v1(1051,3880) ; v1(1229,3868) 1229.42,3868.43 1385.58,3868.43 v1(1386,3868)